# KiCad board Zynq_SoM.kicad_pcb (continued)
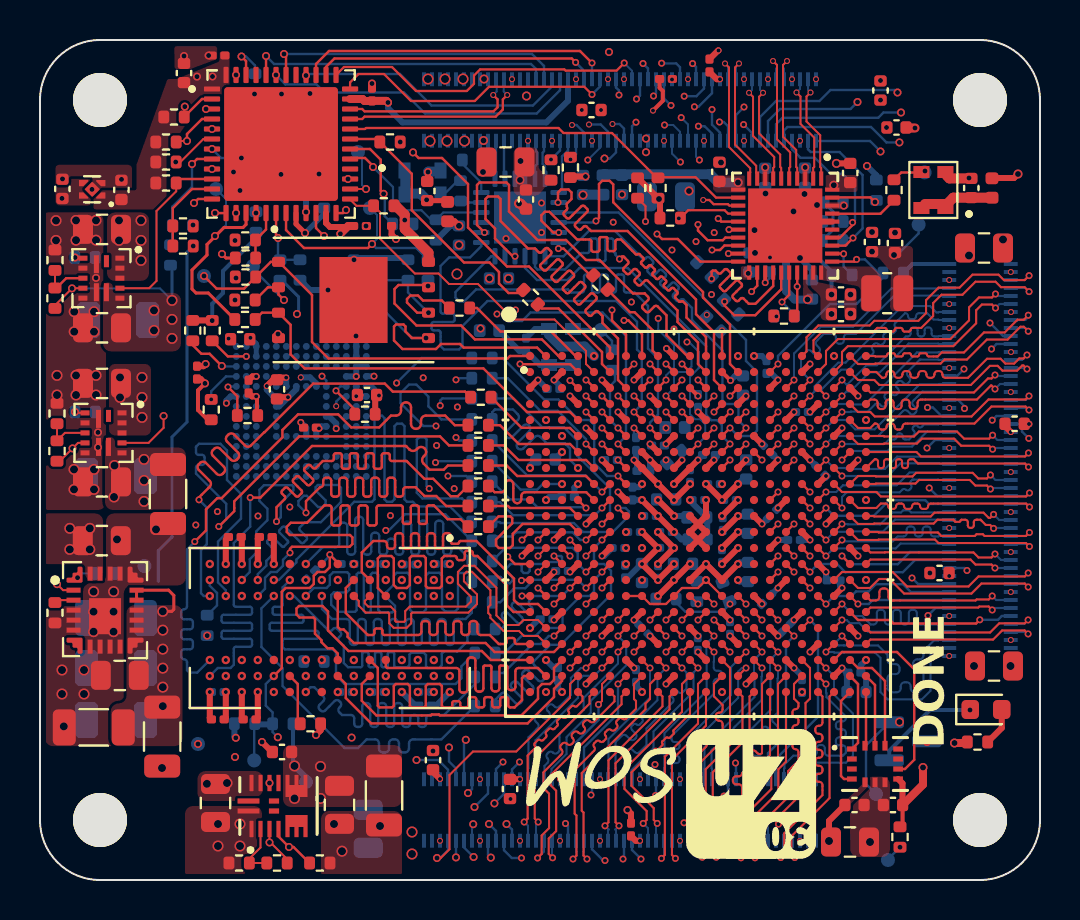
[diagram p0: board, top side]
## Footprints (pads in the part's own frame, mm; a bottom-side part is the same pattern mirrored in y, then rotated)
B0QFN_RDJ
  custom 0.8x0.8 smd: 1(-1.375,1.625) 7(-1.375,-1.625) 12(1.375,-1.625) 18(1.375,1.625)
  rect 0.7x0.25 smd: 2(-1.575,1) 3(-1.575,0.5) 4(-1.575,0) 5(-1.575,-0.5) 6(-1.575,-1) 13(1.575,-1) 14(1.575,-0.5) 15(1.575,0) 16(1.575,0.5) 17(1.575,1)
  rect 0.25x0.7 smd: 8(-0.75,-1.825) 9(-0.25,-1.825) 10(0.25,-1.825) 11(0.75,-1.825) 19(0.75,1.825) 20(0.25,1.825) 21(-0.25,1.825) 22(-0.75,1.825)
  rect 1.6x1.8 smd: 23(0,-0.3)
BGA96C80P9X16_1400X800X120
  round 0.42 smd: A1(-3.2,6) A2(-2.4,6) A3(-1.6,6) A7(1.6,6) A8(2.4,6) A9(3.2,6) B1(-3.2,5.2) B2(-2.4,5.2) B3(-1.6,5.2) B7(1.6,5.2) B8(2.4,5.2) B9(3.2,5.2) C1(-3.2,4.4) C2(-2.4,4.4) C3(-1.6,4.4) C7(1.6,4.4) C8(2.4,4.4) C9(3.2,4.4) D1(-3.2,3.6) D2(-2.4,3.6) D3(-1.6,3.6) D7(1.6,3.6) D8(2.4,3.6) D9(3.2,3.6) E1(-3.2,2.8) E2(-2.4,2.8) E3(-1.6,2.8) E7(1.6,2.8) E8(2.4,2.8) E9(3.2,2.8) F1(-3.2,2) F2(-2.4,2) F3(-1.6,2) F7(1.6,2) F8(2.4,2) F9(3.2,2) G1(-3.2,1.2) G2(-2.4,1.2) G3(-1.6,1.2) G7(1.6,1.2) G8(2.4,1.2) G9(3.2,1.2) H1(-3.2,0.4) H2(-2.4,0.4) H3(-1.6,0.4) H7(1.6,0.4) H8(2.4,0.4) H9(3.2,0.4) J1(-3.2,-0.4) J2(-2.4,-0.4) J3(-1.6,-0.4) J7(1.6,-0.4) J8(2.4,-0.4) J9(3.2,-0.4) K1(-3.2,-1.2) K2(-2.4,-1.2) K3(-1.6,-1.2) K7(1.6,-1.2) K8(2.4,-1.2) K9(3.2,-1.2) L1(-3.2,-2) L2(-2.4,-2) L3(-1.6,-2) L7(1.6,-2) L8(2.4,-2) L9(3.2,-2) M1(-3.2,-2.8) M2(-2.4,-2.8) M3(-1.6,-2.8) M7(1.6,-2.8) M8(2.4,-2.8) M9(3.2,-2.8) N1(-3.2,-3.6) N2(-2.4,-3.6) N3(-1.6,-3.6) N7(1.6,-3.6) N8(2.4,-3.6) N9(3.2,-3.6) P1(-3.2,-4.4) P2(-2.4,-4.4) P3(-1.6,-4.4) P7(1.6,-4.4) P8(2.4,-4.4) P9(3.2,-4.4) R1(-3.2,-5.2) R2(-2.4,-5.2) R3(-1.6,-5.2) R7(1.6,-5.2) R8(2.4,-5.2) R9(3.2,-5.2) T1(-3.2,-6) T2(-2.4,-6) T3(-1.6,-6) T7(1.6,-6) T8(2.4,-6) T9(3.2,-6)
BGA153N50P14X14_1150X1300X100
  round 0.35 smd: A1(-3.25,3.25) A2(-2.75,3.25) A3(-2.25,3.25) A4(-1.75,3.25) A5(-1.25,3.25) A6(-0.75,3.25) A7(-0.25,3.25) A8(0.25,3.25) A9(0.75,3.25) A10(1.25,3.25) A11(1.75,3.25) A12(2.25,3.25) A13(2.75,3.25) A14(3.25,3.25) B1(-3.25,2.75) B2(-2.75,2.75) B3(-2.25,2.75) B4(-1.75,2.75) B5(-1.25,2.75) B6(-0.75,2.75) B7(-0.25,2.75) B8(0.25,2.75) B9(0.75,2.75) B10(1.25,2.75) B11(1.75,2.75) B12(2.25,2.75) B13(2.75,2.75) B14(3.25,2.75) C1(-3.25,2.25) C2(-2.75,2.25) C3(-2.25,2.25) C4(-1.75,2.25) C5(-1.25,2.25) C6(-0.75,2.25) C7(-0.25,2.25) C8(0.25,2.25) C9(0.75,2.25) C10(1.25,2.25) C11(1.75,2.25) C12(2.25,2.25) C13(2.75,2.25) C14(3.25,2.25) D1(-3.25,1.75) D2(-2.75,1.75) D3(-2.25,1.75) D4(-1.75,1.75) D12(2.25,1.75) D13(2.75,1.75) D14(3.25,1.75) E1(-3.25,1.25) E2(-2.75,1.25) E3(-2.25,1.25) E5(-1.25,1.25) E6(-0.75,1.25) E7(-0.25,1.25) E8(0.25,1.25) E9(0.75,1.25) E10(1.25,1.25) E12(2.25,1.25) E13(2.75,1.25) E14(3.25,1.25) F1(-3.25,0.75) F2(-2.75,0.75) F3(-2.25,0.75) F5(-1.25,0.75) F10(1.25,0.75) F12(2.25,0.75) F13(2.75,0.75) F14(3.25,0.75) G1(-3.25,0.25) G2(-2.75,0.25) G3(-2.25,0.25) G5(-1.25,0.25) G10(1.25,0.25) G12(2.25,0.25) G13(2.75,0.25) G14(3.25,0.25) H1(-3.25,-0.25) H2(-2.75,-0.25) H3(-2.25,-0.25) H5(-1.25,-0.25) H10(1.25,-0.25) H12(2.25,-0.25) H13(2.75,-0.25) H14(3.25,-0.25) J1(-3.25,-0.75) J2(-2.75,-0.75) J3(-2.25,-0.75) J5(-1.25,-0.75) J10(1.25,-0.75) J12(2.25,-0.75) J13(2.75,-0.75) J14(3.25,-0.75) K1(-3.25,-1.25) K2(-2.75,-1.25) K3(-2.25,-1.25) K5(-1.25,-1.25) K6(-0.75,-1.25) K7(-0.25,-1.25) K8(0.25,-1.25) K9(0.75,-1.25) K10(1.25,-1.25) K12(2.25,-1.25) K13(2.75,-1.25) K14(3.25,-1.25) L1(-3.25,-1.75) L2(-2.75,-1.75) L3(-2.25,-1.75) L12(2.25,-1.75) L13(2.75,-1.75) L14(3.25,-1.75) M1(-3.25,-2.25) M2(-2.75,-2.25) M3(-2.25,-2.25) M4(-1.75,-2.25) M5(-1.25,-2.25) M6(-0.75,-2.25) M7(-0.25,-2.25) M8(0.25,-2.25) M9(0.75,-2.25) M10(1.25,-2.25) M11(1.75,-2.25) M12(2.25,-2.25) M13(2.75,-2.25) M14(3.25,-2.25) N1(-3.25,-2.75) N2(-2.75,-2.75) N3(-2.25,-2.75) N4(-1.75,-2.75) N5(-1.25,-2.75) N6(-0.75,-2.75) N7(-0.25,-2.75) N8(0.25,-2.75) N9(0.75,-2.75) N10(1.25,-2.75) N11(1.75,-2.75) N12(2.25,-2.75) N13(2.75,-2.75) N14(3.25,-2.75) P1(-3.25,-3.25) P2(-2.75,-3.25) P3(-2.25,-3.25) P4(-1.75,-3.25) P5(-1.25,-3.25) P6(-0.75,-3.25) P7(-0.25,-3.25) P8(0.25,-3.25) P9(0.75,-3.25) P10(1.25,-3.25) P11(1.75,-3.25) P12(2.25,-3.25) P13(2.75,-3.25) P14(3.25,-3.25)
BMI323_BOS
  rect 0.483x0.254 smd: 1(-1.156,0.75) 2(-1.156,0.25) 3(-1.156,-0.25) 4(-1.156,-0.75) 8(1.156,-0.75) 9(1.156,-0.25) 10(1.156,0.25) 11(1.156,0.75)
  rect 0.254x0.483 smd: 5(-0.5,-0.914) 6(0,-0.914) 7(0.5,-0.914) 12(0.5,0.914) 13(0,0.914) 14(-0.5,0.914)
C_0201_0603Metric
  rrect 0.318x0.36 smd: (-0.345,0) (0.345,0)
  rrect 0.46x0.4 smd: 1(-0.32,0) 2(0.32,0)
C_0402_1005Metric
  rrect 0.56x0.62 smd: 1(-0.48,0) 2(0.48,0)
C_0805_2012Metric
  rrect 1x1.45 smd: 1(-0.95,0) 2(0.95,0)
C_1206_3216Metric
  rrect 1.15x1.8 smd: 1(-1.475,0) 2(1.475,0)
CLG484_XIL-L_new
  round 0.406 smd: A1(-8.4,8.4) A2(-7.6,8.4) A3(-6.8,8.4) A4(-6,8.4) A5(-5.2,8.4) A6(-4.4,8.4) A7(-3.6,8.4) A8(-2.8,8.4) A9(-2,8.4) A10(-1.2,8.4) A11(-0.4,8.4) A12(0.4,8.4) A13(1.2,8.4) A14(2,8.4) A15(2.8,8.4) A16(3.6,8.4) A17(4.4,8.4) A18(5.2,8.4) A19(6,8.4) A20(6.8,8.4) A21(7.6,8.4) A22(8.4,8.4) AA1(-8.4,-7.6) AA2(-7.6,-7.6) AA3(-6.8,-7.6) AA4(-6,-7.6) AA5(-5.2,-7.6) AA6(-4.4,-7.6) AA7(-3.6,-7.6) AA8(-2.8,-7.6) AA9(-2,-7.6) AA10(-1.2,-7.6) AA11(-0.4,-7.6) AA12(0.4,-7.6) AA13(1.2,-7.6) AA14(2,-7.6) AA15(2.8,-7.6) AA16(3.6,-7.6) AA17(4.4,-7.6) AA18(5.2,-7.6) AA19(6,-7.6) AA20(6.8,-7.6) AA21(7.6,-7.6) AA22(8.4,-7.6) AB1(-8.4,-8.4) AB2(-7.6,-8.4) AB3(-6.8,-8.4) AB4(-6,-8.4) AB5(-5.2,-8.4) AB6(-4.4,-8.4) AB7(-3.6,-8.4) AB8(-2.8,-8.4) AB9(-2,-8.4) AB10(-1.2,-8.4) AB11(-0.4,-8.4) AB12(0.4,-8.4) AB13(1.2,-8.4) AB14(2,-8.4) AB15(2.8,-8.4) AB16(3.6,-8.4) AB17(4.4,-8.4) AB18(5.2,-8.4) AB19(6,-8.4) AB20(6.8,-8.4) AB21(7.6,-8.4) AB22(8.4,-8.4) B1(-8.4,7.6) B2(-7.6,7.6) B3(-6.8,7.6) B4(-6,7.6) B5(-5.2,7.6) B6(-4.4,7.6) B7(-3.6,7.6) B8(-2.8,7.6) B9(-2,7.6) B10(-1.2,7.6) B11(-0.4,7.6) B12(0.4,7.6) B13(1.2,7.6) B14(2,7.6) B15(2.8,7.6) B16(3.6,7.6) B17(4.4,7.6) B18(5.2,7.6) B19(6,7.6) B20(6.8,7.6) B21(7.6,7.6) B22(8.4,7.6) C1(-8.4,6.8) C2(-7.6,6.8) C3(-6.8,6.8) C4(-6,6.8) C5(-5.2,6.8) C6(-4.4,6.8) C7(-3.6,6.8) C8(-2.8,6.8) C9(-2,6.8) C10(-1.2,6.8) C11(-0.4,6.8) C12(0.4,6.8) C13(1.2,6.8) C14(2,6.8) C15(2.8,6.8) C16(3.6,6.8) C17(4.4,6.8) C18(5.2,6.8) C19(6,6.8) C20(6.8,6.8) C21(7.6,6.8) C22(8.4,6.8) D1(-8.4,6) D2(-7.6,6) D3(-6.8,6) D4(-6,6) D5(-5.2,6) D6(-4.4,6) D7(-3.6,6) D8(-2.8,6) D9(-2,6) D10(-1.2,6) D11(-0.4,6) D12(0.4,6) D13(1.2,6) D14(2,6) D15(2.8,6) D16(3.6,6) D17(4.4,6) D18(5.2,6) D19(6,6) D20(6.8,6) D21(7.6,6) D22(8.4,6) E1(-8.4,5.2) E2(-7.6,5.2) E3(-6.8,5.2) E4(-6,5.2) E5(-5.2,5.2) E6(-4.4,5.2) E7(-3.6,5.2) E8(-2.8,5.2) E9(-2,5.2) E10(-1.2,5.2) E11(-0.4,5.2) E12(0.4,5.2) E13(1.2,5.2) E14(2,5.2) E15(2.8,5.2) E16(3.6,5.2) E17(4.4,5.2) E18(5.2,5.2) E19(6,5.2) E20(6.8,5.2) E21(7.6,5.2) E22(8.4,5.2) F1(-8.4,4.4) F2(-7.6,4.4) F3(-6.8,4.4) F4(-6,4.4) F5(-5.2,4.4) F6(-4.4,4.4) F7(-3.6,4.4) F8(-2.8,4.4) F9(-2,4.4) F10(-1.2,4.4) F11(-0.4,4.4) F12(0.4,4.4) F13(1.2,4.4) F14(2,4.4) F15(2.8,4.4) F16(3.6,4.4) F17(4.4,4.4) F18(5.2,4.4) F19(6,4.4) F20(6.8,4.4) F21(7.6,4.4) F22(8.4,4.4) G1(-8.4,3.6) G2(-7.6,3.6) G3(-6.8,3.6) G4(-6,3.6) G5(-5.2,3.6) G6(-4.4,3.6) G7(-3.6,3.6) G8(-2.8,3.6) G9(-2,3.6) G10(-1.2,3.6) G11(-0.4,3.6) G12(0.4,3.6) G13(1.2,3.6) G14(2,3.6) G15(2.8,3.6) G16(3.6,3.6) G17(4.4,3.6) G18(5.2,3.6) G19(6,3.6) G20(6.8,3.6) G21(7.6,3.6) G22(8.4,3.6) H1(-8.4,2.8) H2(-7.6,2.8) H3(-6.8,2.8) H4(-6,2.8) H5(-5.2,2.8) H6(-4.4,2.8) H7(-3.6,2.8) H8(-2.8,2.8) H9(-2,2.8) H10(-1.2,2.8) H11(-0.4,2.8) H12(0.4,2.8) H13(1.2,2.8) H14(2,2.8) H15(2.8,2.8) H16(3.6,2.8) H17(4.4,2.8) H18(5.2,2.8) H19(6,2.8) H20(6.8,2.8) H21(7.6,2.8) H22(8.4,2.8) J1(-8.4,2) J2(-7.6,2) J3(-6.8,2) J4(-6,2) J5(-5.2,2) J6(-4.4,2) J7(-3.6,2) J8(-2.8,2) J9(-2,2) J10(-1.2,2) J11(-0.4,2) J12(0.4,2) J13(1.2,2) J14(2,2) J15(2.8,2) J16(3.6,2) J17(4.4,2) J18(5.2,2) J19(6,2) J20(6.8,2) J21(7.6,2) J22(8.4,2) K1(-8.4,1.2) K2(-7.6,1.2) K3(-6.8,1.2) K4(-6,1.2) K5(-5.2,1.2) K6(-4.4,1.2) K7(-3.6,1.2) K8(-2.8,1.2) K9(-2,1.2) K10(-1.2,1.2) K11(-0.4,1.2) K12(0.4,1.2) K13(1.2,1.2) K14(2,1.2) K15(2.8,1.2) K16(3.6,1.2) K17(4.4,1.2) K18(5.2,1.2) K19(6,1.2) K20(6.8,1.2) K21(7.6,1.2) K22(8.4,1.2) L1(-8.4,0.4) L2(-7.6,0.4) L3(-6.8,0.4) L4(-6,0.4) L5(-5.2,0.4) L6(-4.4,0.4) L7(-3.6,0.4) L8(-2.8,0.4) L9(-2,0.4) L10(-1.2,0.4) L11(-0.4,0.4) L12(0.4,0.4) L13(1.2,0.4) L14(2,0.4) L15(2.8,0.4) L16(3.6,0.4) L17(4.4,0.4) L18(5.2,0.4) L19(6,0.4) L20(6.8,0.4) L21(7.6,0.4) L22(8.4,0.4) M1(-8.4,-0.4) M2(-7.6,-0.4) M3(-6.8,-0.4) M4(-6,-0.4) M5(-5.2,-0.4) M6(-4.4,-0.4) M7(-3.6,-0.4) M8(-2.8,-0.4) M9(-2,-0.4) M10(-1.2,-0.4) M11(-0.4,-0.4) M12(0.4,-0.4) M13(1.2,-0.4) M14(2,-0.4) M15(2.8,-0.4) M16(3.6,-0.4) M17(4.4,-0.4) M18(5.2,-0.4) M19(6,-0.4) M20(6.8,-0.4) M21(7.6,-0.4) M22(8.4,-0.4) N1(-8.4,-1.2) N2(-7.6,-1.2) N3(-6.8,-1.2) N4(-6,-1.2) N5(-5.2,-1.2) N6(-4.4,-1.2) N7(-3.6,-1.2) N8(-2.8,-1.2) N9(-2,-1.2) N10(-1.2,-1.2) N11(-0.4,-1.2) N12(0.4,-1.2) N13(1.2,-1.2) N14(2,-1.2) N15(2.8,-1.2) N16(3.6,-1.2) N17(4.4,-1.2) N18(5.2,-1.2) N19(6,-1.2) N20(6.8,-1.2) N21(7.6,-1.2) N22(8.4,-1.2) P1(-8.4,-2) P2(-7.6,-2) P3(-6.8,-2) P4(-6,-2) P5(-5.2,-2) P6(-4.4,-2) P7(-3.6,-2) P8(-2.8,-2) P9(-2,-2) P10(-1.2,-2) P11(-0.4,-2) P12(0.4,-2) P13(1.2,-2) P14(2,-2) P15(2.8,-2) P16(3.6,-2) P17(4.4,-2) P18(5.2,-2) P19(6,-2) P20(6.8,-2) P21(7.6,-2) P22(8.4,-2) R1(-8.4,-2.8) R2(-7.6,-2.8) R3(-6.8,-2.8) R4(-6,-2.8) R5(-5.2,-2.8) R6(-4.4,-2.8) R7(-3.6,-2.8) R8(-2.8,-2.8) R9(-2,-2.8) R10(-1.2,-2.8) R11(-0.4,-2.8) R12(0.4,-2.8) R13(1.2,-2.8) R14(2,-2.8) R15(2.8,-2.8) R16(3.6,-2.8) R17(4.4,-2.8) R18(5.2,-2.8) R19(6,-2.8) R20(6.8,-2.8) R21(7.6,-2.8) R22(8.4,-2.8) T1(-8.4,-3.6) T2(-7.6,-3.6) T3(-6.8,-3.6) T4(-6,-3.6) T5(-5.2,-3.6) T6(-4.4,-3.6) T7(-3.6,-3.6) T8(-2.8,-3.6) T9(-2,-3.6) T10(-1.2,-3.6) T11(-0.4,-3.6) T12(0.4,-3.6) T13(1.2,-3.6) T14(2,-3.6) T15(2.8,-3.6) T16(3.6,-3.6) T17(4.4,-3.6) T18(5.2,-3.6) T19(6,-3.6) T20(6.8,-3.6) T21(7.6,-3.6) T22(8.4,-3.6) U1(-8.4,-4.4) U2(-7.6,-4.4) U3(-6.8,-4.4) U4(-6,-4.4) U5(-5.2,-4.4) U6(-4.4,-4.4) U7(-3.6,-4.4) U8(-2.8,-4.4) U9(-2,-4.4) U10(-1.2,-4.4) U11(-0.4,-4.4) U12(0.4,-4.4) U13(1.2,-4.4) U14(2,-4.4) U15(2.8,-4.4) U16(3.6,-4.4) U17(4.4,-4.4) U18(5.2,-4.4) U19(6,-4.4) U20(6.8,-4.4) U21(7.6,-4.4) U22(8.4,-4.4) V1(-8.4,-5.2) V2(-7.6,-5.2) V3(-6.8,-5.2) V4(-6,-5.2) V5(-5.2,-5.2) V6(-4.4,-5.2) V7(-3.6,-5.2) V8(-2.8,-5.2) V9(-2,-5.2) V10(-1.2,-5.2) V11(-0.4,-5.2) V12(0.4,-5.2) V13(1.2,-5.2) V14(2,-5.2) V15(2.8,-5.2) V16(3.6,-5.2) V17(4.4,-5.2) V18(5.2,-5.2) V19(6,-5.2) V20(6.8,-5.2) V21(7.6,-5.2) V22(8.4,-5.2) W1(-8.4,-6) W2(-7.6,-6) W3(-6.8,-6) W4(-6,-6) W5(-5.2,-6) W6(-4.4,-6) W7(-3.6,-6) W8(-2.8,-6) W9(-2,-6) W10(-1.2,-6) W11(-0.4,-6) W12(0.4,-6) W13(1.2,-6) W14(2,-6) W15(2.8,-6) W16(3.6,-6) W17(4.4,-6) W18(5.2,-6) W19(6,-6) W20(6.8,-6) W21(7.6,-6) W22(8.4,-6) Y1(-8.4,-6.8) Y2(-7.6,-6.8) Y3(-6.8,-6.8) Y4(-6,-6.8) Y5(-5.2,-6.8) Y6(-4.4,-6.8) Y7(-3.6,-6.8) Y8(-2.8,-6.8) Y9(-2,-6.8) Y10(-1.2,-6.8) Y11(-0.4,-6.8) Y12(0.4,-6.8) Y13(1.2,-6.8) Y14(2,-6.8) Y15(2.8,-6.8) Y16(3.6,-6.8) Y17(4.4,-6.8) Y18(5.2,-6.8) Y19(6,-6.8) Y20(6.8,-6.8) Y21(7.6,-6.8) Y22(8.4,-6.8)
HRS_DF40C-100DS-0.4V_51_
  rect 0.2x0.7 smd: 1(9.8,1.54) 2(9.8,-1.54) 3(9.4,1.54) 4(9.4,-1.54) 5(9,1.54) 6(9,-1.54) 7(8.6,1.54) 8(8.6,-1.54) 9(8.2,1.54) 10(8.2,-1.54) 11(7.8,1.54) 12(7.8,-1.54) 13(7.4,1.54) 14(7.4,-1.54) 15(7,1.54) 16(7,-1.54) 17(6.6,1.54) 18(6.6,-1.54) 19(6.2,1.54) 20(6.2,-1.54) 21(5.8,1.54) 22(5.8,-1.54) 23(5.4,1.54) 24(5.4,-1.54) 25(5,1.54) 26(5,-1.54) 27(4.6,1.54) 28(4.6,-1.54) 29(4.2,1.54) 30(4.2,-1.54) 31(3.8,1.54) 32(3.8,-1.54) 33(3.4,1.54) 34(3.4,-1.54) 35(3,1.54) 36(3,-1.54) 37(2.6,1.54) 38(2.6,-1.54) 39(2.2,1.54) 40(2.2,-1.54) 41(1.8,1.54) 42(1.8,-1.54) 43(1.4,1.54) 44(1.4,-1.54) 45(1,1.54) 46(1,-1.54) 47(0.6,1.54) 48(0.6,-1.54) 49(0.2,1.54) 50(0.2,-1.54) 51(-0.2,1.54) 52(-0.2,-1.54) 53(-0.6,1.54) 54(-0.6,-1.54) 55(-1,1.54) 56(-1,-1.54) 57(-1.4,1.54) 58(-1.4,-1.54) 59(-1.8,1.54) 60(-1.8,-1.54) 61(-2.2,1.54) 62(-2.2,-1.54) 63(-2.6,1.54) 64(-2.6,-1.54) 65(-3,1.54) 66(-3,-1.54) 67(-3.4,1.54) 68(-3.4,-1.54) 69(-3.8,1.54) 70(-3.8,-1.54) 71(-4.2,1.54) 72(-4.2,-1.54) 73(-4.6,1.54) 74(-4.6,-1.54) 75(-5,1.54) 76(-5,-1.54) 77(-5.4,1.54) 78(-5.4,-1.54) 79(-5.8,1.54) 80(-5.8,-1.54) 81(-6.2,1.54) 82(-6.2,-1.54) 83(-6.6,1.54) 84(-6.6,-1.54) 85(-7,1.54) 86(-7,-1.54) 87(-7.4,1.54) 88(-7.4,-1.54) 89(-7.8,1.54) 90(-7.8,-1.54) 91(-8.2,1.54) 92(-8.2,-1.54) 93(-8.6,1.54) 94(-8.6,-1.54) 95(-9,1.54) 96(-9,-1.54) 97(-9.4,1.54) 98(-9.4,-1.54) 99(-9.8,1.54) 100(-9.8,-1.54)
L_0402_1005Metric
  rrect 0.59x0.64 smd: 1(-0.485,0) 2(0.485,0)
L_0806_2.0x1.6mm
  rrect 1x1.8 smd: 1(-0.8,0) 2(0.8,0)
LED_0603_1608Metric
  rrect 0.875x0.95 smd: 1(-0.787,0) 2(0.787,0)
MountingHole_2.7mm_M2.5_ISO14580_MOD
  round 2.7 hole 2.7 unplated: (0,0)
MPM3834
  rect 0.6x0.25 smd: 1(-0.85,0.25)
  rect 0.9x0.25 smd: 2(-0.7,-0.25) 8(0.7,-0.25) 9(0.7,0.25)
  rect 0.25x0.45 smd: 3(-1,-0.925) 4(-0.5,-0.925) 5(0,-0.925) 6(0.5,-0.925) 7(1,-0.925) 10(1,0.925) 11(0.5,0.925) 12(0,0.925) 13(-0.5,0.925) 14(-1,0.925)
Oscillator_SMD_Kyocera_4PIN_2.0x1.6mm
  rect 0.6x0.8 smd: 1(-0.9,-0.6) 2(0.9,-0.6) 3(0.9,0.6) 4(-0.9,0.6)
QFN-24-1EP_4x4mm_P0.5mm_EP2.6x2.6mm
  rrect 1.05x1.05 smd: (-0.65,-0.65) (-0.65,0.65) (0.65,-0.65) (0.65,0.65)
  rrect 0.825x0.25 smd: 1(-1.938,1.25) 2(-1.938,0.75) 3(-1.938,0.25) 4(-1.938,-0.25) 5(-1.938,-0.75) 6(-1.938,-1.25) 13(1.938,-1.25) 14(1.938,-0.75) 15(1.938,-0.25) 16(1.938,0.25) 17(1.938,0.75) 18(1.938,1.25)
  rrect 0.25x0.825 smd: 7(-1.25,-1.938) 8(-0.75,-1.938) 9(-0.25,-1.938) 10(0.25,-1.938) 11(0.75,-1.938) 12(1.25,-1.938) 19(1.25,1.938) 20(0.75,1.938) 21(0.25,1.938) 22(-0.25,1.938) 23(-0.75,1.938) 24(-1.25,1.938)
  rect 2.6x2.6 smd: 25(0,0)
QFN_2p5x3p5x1p6_MNP
  rect 0.813x0.203 smd: 1(-1.15,1.35) 2(-1.15,0.9) 3(-1.15,0.45) 4(-1.15,0) 11(1.15,0) 12(1.15,0.45) 13(1.15,0.9) 14(1.15,1.35)
  custom 1.105x1.103 smd: 5(-0.75,-0.9) 10(0.75,-0.9)
  rect 0.254x1.092 smd: 15(0.25,1.5) 16(-0.25,1.5)
  rect 0.254x0.508 smd: 17(-0.25,0.225) 18(0.25,0.225)
R_0201_0603Metric
  rrect 0.318x0.36 smd: (-0.345,0) (0.345,0)
  rrect 0.46x0.4 smd: 1(-0.32,0) 2(0.32,0)
R_0402_1005Metric
  rrect 0.54x0.64 smd: 1(-0.51,0) 2(0.51,0)
RTL8211F-CG_RTK-L
  rect 0.711x0.203 smd: 1(-2.349,1.8) 2(-2.349,1.4) 3(-2.349,1) 4(-2.349,0.6) 5(-2.349,0.2) 6(-2.349,-0.2) 7(-2.349,-0.6) 8(-2.349,-1) 9(-2.349,-1.4) 10(-2.349,-1.8) 21(2.349,-1.8) 22(2.349,-1.4) 23(2.349,-1) 24(2.349,-0.6) 25(2.349,-0.2) 26(2.349,0.2) 27(2.349,0.6) 28(2.349,1) 29(2.349,1.4) 30(2.349,1.8)
  rect 0.203x0.711 smd: 11(-1.8,-2.349) 12(-1.4,-2.349) 13(-1,-2.349) 14(-0.6,-2.349) 15(-0.2,-2.349) 16(0.2,-2.349) 17(0.6,-2.349) 18(1,-2.349) 19(1.4,-2.349) 20(1.8,-2.349) 31(1.8,2.349) 32(1.4,2.349) 33(1,2.349) 34(0.6,2.349) 35(0.2,2.349) 36(-0.2,2.349) 37(-0.6,2.349) 38(-1,2.349) 39(-1.4,2.349) 40(-1.8,2.349)
  rect 3.708x3.708 smd: 41(0,0)
SOT-23
  rrect 1.475x0.6 smd: 1(-0.938,0.95) 2(-0.938,-0.95) 3(0.938,0)
STM32G431CBU6
  rrect 0.808x0.255 smd: 1(-3.452,2.75) 2(-3.452,2.25) 3(-3.452,1.75) 4(-3.452,1.25) 5(-3.452,0.75) 6(-3.452,0.25) 7(-3.452,-0.25) 8(-3.452,-0.75) 9(-3.452,-1.25) 10(-3.452,-1.75) 11(-3.452,-2.25) 12(-3.452,-2.75) 25(3.452,-2.75) 26(3.452,-2.25) 27(3.452,-1.75) 28(3.452,-1.25) 29(3.452,-0.75) 30(3.452,-0.25) 31(3.452,0.25) 32(3.452,0.75) 33(3.452,1.25) 34(3.452,1.75) 35(3.452,2.25) 36(3.452,2.75)
  rrect 0.255x0.808 smd: 13(-2.75,-3.452) 14(-2.25,-3.452) 15(-1.75,-3.452) 16(-1.25,-3.452) 17(-0.75,-3.452) 18(-0.25,-3.452) 19(0.25,-3.452) 20(0.75,-3.452) 21(1.25,-3.452) 22(1.75,-3.452) 23(2.25,-3.452) 24(2.75,-3.452) 37(2.75,3.452) 38(2.25,3.452) 39(1.75,3.452) 40(1.25,3.452) 41(0.75,3.452) 42(0.25,3.452) 43(-0.25,3.452) 44(-0.75,3.452) 45(-1.25,3.452) 46(-1.75,3.452) 47(-2.25,3.452) 48(-2.75,3.452)
  rrect 5.69x5.69 smd: 49(0,0)
TestPoint_Pad_D0.7mm
  round 0.7 smd: 1(0,0)
TLV707
  custom 0.46x0.31 smd: 1(-0.53,0.325) 2(-0.53,-0.325) 3(0.53,-0.325) 4(0.53,0.325)
  rrect 0.54x0.54 smd rot 45: 5(0,0)
WSON-8-1EP_8x6mm_P1.27mm_EP3.4x4.3mm
  rrect 1.37x1.73 smd: (-0.85,1.075) (-0.85,-1.075) (0.85,1.075) (0.85,-1.075)
  rrect 0.65x0.5 smd: 1(-3.75,1.905) 2(-3.75,0.635) 3(-3.75,-0.635) 4(-3.75,-1.905) 5(3.75,-1.905) 6(3.75,-0.635) 7(3.75,0.635) 8(3.75,1.905)
  rect 3.4x4.3 smd: 9(0,0)

## Nets
1V0_EN: R27.1 U8.1 U9.5
1V0_PG: R28.2 U8.2 U9.2
1V8_EN: R30.1 U4.3 U9.47
1V8_PG: R29.2 U4.11 U9.4
1V35_EN: R35.1 U9.9 U10.4
1V35_PG: R36.2 U9.6 U10.12
3V3_EN: R31.1 U6.3 U9.3
3V3_PG: R32.2 U6.11 U9.10
+0V675_REF: C113.2 C124.1 C125.1 C126.1 R88.2 R89.1 TP16.1 U1.H1 U1.M8 U2.H7 U2.P7
+1V0: C24.1 C45.1 C46.1 C47.1 C48.1 C51.1 C52.1 C53.1 C54.1 C55.1 C56.1 C57.1 C58.1 C60.1 C61.1 C63.1 C64.1 C66.1 R78.1 TP14.1 U2.G8 U2.H9 U2.H11 U2.J8 U2.J10 U2.J12 U2.J14 U2.K13 U2.L8 U2.L14 U2.M13 U2.N8 U2.N14 U2.P13 U2.R8 U2.R14 U8.12 U8.13 U8.14 U8.15 U8.16 U8.17
+1V8: C11.1 C20.1 C27.1 C33.1 C38.1 C42.1 C44.1 C49.1 C50.1 C59.1 C62.1 C67.1 C96.1 C97.1 C98.1 C107.1 C108.1 C112.1 C134.1 C138.1 J1.56 J1.58 J1.60 L2.2 L4.1 L6.2 L8.2 L9.2 R5.1 R7.1 R11.1 R12.1 R14.1 R26.1 R39.1 R40.1 R41.1 R42.1 R43.1 R80.1 R90.1 R92.1 R94.1 R97.1 U2.A10 U2.B13 U2.D9 U2.E12 U2.G9 U2.K9 U2.L10 U2.M9 U2.N10 U2.P9 U2.P11 U2.R10 U2.T9 U4.6 U4.9 U4.10 U5.17 U5.21 U7.C6 U7.M4 U7.N3 U7.N4 U7.P3 U7.P5
+1V35: C31.1 C93.1 C95.1 C99.1 C101.1 C102.1 C104.1 C105.1 C106.1 C109.1 C110.1 C111.1 C113.1 C114.1 C118.1 C119.1 C120.1 C121.1 C122.1 C123.1 R37.1 R47.1 R84.1 R88.1 TP15.1 U1.A1 U1.A8 U1.B2 U1.C1 U1.C9 U1.D2 U1.D9 U1.E9 U1.F1 U1.G7 U1.H2 U1.H9 U1.K2 U1.K8 U1.N1 U1.N9 U1.R1 U1.R9 U2.E2 U2.F5 U2.H1 U2.J4 U2.K7 U2.M3 U2.N6 U2.R2 U2.V1 U10.3 U10.10
+3V3: C1.1 C2.1 C12.1 C21.1 C29.1 C34.1 C39.1 C41.1 C68.1 C71.1 C73.1 C76.1 C141.1 J1.24 J1.25 J1.26 J1.27 L3.1 L7.2 R18.1 R19.1 R33.1 R44.1 R74.2 R82.1 R86.1 R87.1 R91.1 R98.1 R99.1 R100.1 U2.B3 U2.C6 U2.R12 U2.T7 U2.T8 U2.T10 U2.T13 U3.29 U5.3 U5.4 U6.6 U6.9 U6.10 U7.E6 U7.F5 U7.J10 U7.K9 U11.8 U14.8
+3V3_SC: C9.1 C35.1 C36.1 C37.1 C136.1 J1.37 L5.1 R3.1 R28.1 R29.1 R32.1 R36.1 U9.1 U9.23 U9.35 U9.48 U13.1
+VCCO_13: C127.1 C128.1 C129.1 C130.1 C131.1 C132.1 C133.1 J2.1 J2.2 J2.3 U2.AA10 U2.AB3 U2.T5 U2.U8 U2.V11 U2.W4 U2.Y7
+VCCO_33: C86.1 C87.1 C88.1 C89.1 C90.1 C91.1 C92.1 C100.1 J2.98 J2.99 J2.100 U2.AA20 U2.AB13 U2.U18 U2.V21 U2.W14 U2.Y17 U14.5
+VCCO_34: C75.1 C77.1 C79.1 C82.1 C83.1 C84.1 C85.1 J3.97 J3.99 U2.K17 U2.L20 U2.N16 U2.P19 U2.R22 U2.T15
+VCCO_35: C69.1 C70.1 C72.1 C74.1 C78.1 C80.1 C81.1 J3.1 J3.2 J3.4 R15.1 U2.A20 U2.C16 U2.D19 U2.E22 U2.F15 U2.G18 U2.H21
/Ethernet PHY/1V0_ETH: C3.1 C4.1 C5.1 C6.1 C7.1 C16.1 L1.2 TP13.1 U3.3 U3.8 U3.21 U3.38
/Ethernet PHY/1V8A_ETH: C10.1 C19.1 L2.1 U3.28
/Ethernet PHY/3V3A_ETH: C15.1 C17.1 C18.1 L3.2 U3.11 U3.40
/Zynq Power/VCCADC: C103.1 C135.1 L9.1 U2.K11
/Zynq Power/VCCPLL: C43.1 C65.1 L4.2 U2.H10
GND: C1.2 C2.2 C3.2 C4.2 C5.2 C6.2 C7.2 C8.2 C9.2 C10.2 C11.2 C12.2 C13.2 C15.2 C16.2 C17.2 C18.2 C19.2 C20.2 C21.2 C22.2 C23.2 C24.2 C25.2 C26.2 C27.2 C28.2 C29.2 C30.2 C31.2 C32.2 C33.2 C34.2 C35.2 C36.2 C37.2 C38.2 C39.2 C40.2 C41.2 C42.2 C43.2 C44.2 C45.2 C46.2 C47.2 C48.2 C49.2 C50.2 C51.2 C52.2 C53.2 C54.2 C55.2 C56.2 C57.2 C58.2 C59.2 C60.2 C61.2 C62.2 C63.2 C64.2 C65.2 C66.2 C67.2 C68.2 C69.2 C70.2 C71.2 C72.2 C73.2 C74.2 C75.2 C76.2 C77.2 C78.2 C79.2 C80.2 C81.2 C82.2 C83.2 C84.2 C85.2 C86.2 C87.2 C88.2 C89.2 C90.2 C91.2 C92.2 C93.2 C94.2 C95.2 C96.2 C97.2 C98.2 C99.2 C100.2 C101.2 C102.2 C103.2 C104.2 C105.2 C106.2 C107.2 C108.2 C109.2 C110.2 C111.2 C112.2 C114.2 C118.2 C119.2 C120.2 C121.2 C122.2 C123.2 C124.2 C125.2 C126.2 C127.2 C128.2 C129.2 C130.2 C131.2 C132.2 C133.2 C134.2 C135.2 C136.2 C137.2 C138.2 C139.2 C141.2 C142.2 J1.15 J1.16 J1.17 J1.18 J1.23 J1.28 J1.34 J1.39 J1.44 J1.51 J1.62 J1.63 J1.72 J1.75 J1.81 J1.82 J1.87 J1.93 J1.96 J1.99 J2.4 J2.5 J2.6 J2.15 J2.16 J2.25 J2.26 J2.35 J2.36 J2.45 J2.46 J2.55 J2.56 J2.65 J2.66 J2.75 J2.76 J2.85 J2.86 J2.95 J2.96 J2.97 J3.3 J3.6 J3.12 J3.13 J3.18 J3.23 J3.28 J3.33 J3.38 J3.43 J3.48 J3.53 J3.58 J3.63 J3.68 J3.73 J3.80 J3.83 J3.90 J3.95 J3.100 Q3.3 R4.2 R8.2 R9.2 R10.2 R13.2 R16.2 R17.2 R23.2 R24.1 R25.2 R27.2 R30.2 R31.2 R34.2 R35.2 R38.2 R45.2 R46.2 R48.2 R75.1 R76.2 R77.2 R79.2 R81.2 R83.2 R85.2 R89.2 R93.2 U1.A9 U1.B1 U1.B3 U1.B9 U1.D1 U1.D8 U1.E1 U1.E2 U1.E8 U1.F9 U1.G1 U1.G8 U1.G9 U1.J2 U1.J8 U1.M1 U1.M9 U1.P1 U1.P9 U1.T1 U1.T9 U2.A5 U2.A15 U2.AA5 U2.AA15 U2.AB8 U2.AB18 U2.B8 U2.B18 U2.C1 U2.C11 U2.C21 U2.D4 U2.D14 U2.E7 U2.E17 U2.F10 U2.F20 U2.G3 U2.H6 U2.H8 U2.H12 U2.H14 U2.H16 U2.J9 U2.J11 U2.J13 U2.J19 U2.K2 U2.K8 U2.K10 U2.K12 U2.K14 U2.K22 U2.L5 U2.L9 U2.L11 U2.L12 U2.L13 U2.L15 U2.M8 U2.M10 U2.M11 U2.M12 U2.M14 U2.M18 U2.N1 U2.N9 U2.N11 U2.N12 U2.N13 U2.N21 U2.P4 U2.P8 U2.P10 U2.P12 U2.P14 U2.R9 U2.R11 U2.R13 U2.R17 U2.T20 U2.U3 U2.U13 U2.V6 U2.V16 U2.W9 U2.W19 U2.Y2 U2.Y12 U2.Y22 U3.36 U3.41 U4.2 U4.4 U4.7 U4.8 U5.25 U6.2 U6.4 U6.7 U6.8 U7.A6 U7.C4 U7.E7 U7.G5 U7.H10 U7.J5 U7.K8 U7.N1 U7.N2 U7.N5 U7.N6 U7.P4 U7.P6 U8.4 U8.5 U8.6 U8.8 U8.9 U8.10 U8.11 U8.18 U8.19 U8.20 U8.23 U9.49 U10.1 U10.16 U11.4 U11.9 U13.2 U13.5 U14.6 U14.7 X1.2 X2.2 X3.2
VBUS_OUT_EN: J1.38 U5.7
VIN: C8.1 C25.1 C26.1 C28.1 C30.1 J1.1 J1.2 J1.3 J1.4 J1.5 J1.6 J1.7 J1.8 J1.9 J1.10 J1.11 J1.12 J1.13 J1.14 U4.12 U4.13 U4.14 U6.12 U6.13 U6.14 U8.21 U8.22 U10.13 U10.14 U13.3 U13.4
/eMMC/eMMC_VDDI: C40.1 U7.C1 U7.C2
/Ethernet PHY/25MHz_1V8: C22.1 L6.1 X2.1 X2.4
/Ethernet PHY/CLK_25MHz: R20.1 TP12.1 X2.3
/Ethernet PHY/ETH_CLK_25MHz: R20.2 U3.37
/Ethernet PHY/ETH_REG_OUT: L1.1 U3.30
/Power/VSET: R25.1 U8.3
/USB HS PHY/13MHz_1V8: C142.1 L8.1 X1.1 X1.4
/USB HS PHY/CLK_13MHz: R21.1 X1.3
/USB HS PHY/RBIAS: R24.2 U5.24
/USB HS PHY/USB_REFCLK: R21.2 U5.23
/USB HS PHY/USB_ULPI_CLKOUT_T: R22.1 U5.12
/Zynq B500-B501/33MHz_3V3: C23.1 L7.1 X3.1 X3.4
/Zynq B500-B501/PS_CLK_33MHz: R2.1 TP4.1 X3.3
/Zynq B500-B501/PS_CLK_33MHz_T: R2.2 U2.F7
/Zynq B500-B501/PS_MIO_VREF_501: C94.1 R92.2 R93.1 U2.F8
/Zynq B500-B501/STM32_SCL_T: R96.2 U2.B6
/Zynq Config/LED_A: D2.2 R91.2
/Zynq Config/VT_OUTPUT: D2.1 Q3.1
/Zynq_B502_DDR/DDR_A0: R53.1 U2.M4
/Zynq_B502_DDR/DDR_A0_T: R53.2 U1.N3
/Zynq_B502_DDR/DDR_A1: R54.1 U2.M5
/Zynq_B502_DDR/DDR_A1_T: R54.2 U1.P7
/Zynq_B502_DDR/DDR_A2: R55.1 U2.K4
/Zynq_B502_DDR/DDR_A2_T: R55.2 U1.P3
/Zynq_B502_DDR/DDR_A3: R56.1 U2.L4
/Zynq_B502_DDR/DDR_A3_T: R56.2 U1.N2
/Zynq_B502_DDR/DDR_A4: R57.1 U2.K6
/Zynq_B502_DDR/DDR_A4_T: R57.2 U1.P8
/Zynq_B502_DDR/DDR_A5: R58.1 U2.K5
/Zynq_B502_DDR/DDR_A5_T: R58.2 U1.P2
/Zynq_B502_DDR/DDR_A6: R59.1 U2.J7
/Zynq_B502_DDR/DDR_A6_T: R59.2 U1.R8
/Zynq_B502_DDR/DDR_A7: R60.1 U2.J6
/Zynq_B502_DDR/DDR_A7_T: R60.2 U1.R2
/Zynq_B502_DDR/DDR_A8: R61.1 U2.J5
/Zynq_B502_DDR/DDR_A8_T: R61.2 U1.T8
/Zynq_B502_DDR/DDR_A9: R62.1 U2.H5
/Zynq_B502_DDR/DDR_A9_T: R62.2 U1.R3
/Zynq_B502_DDR/DDR_A10: R63.1 U2.J3
/Zynq_B502_DDR/DDR_A10_T: R63.2 U1.L7
/Zynq_B502_DDR/DDR_A11: R64.1 U2.G5
/Zynq_B502_DDR/DDR_A11_T: R64.2 U1.R7
/Zynq_B502_DDR/DDR_A12: R65.1 U2.H4
/Zynq_B502_DDR/DDR_A12_T: R65.2 U1.N7
/Zynq_B502_DDR/DDR_A13: R66.1 U2.F4
/Zynq_B502_DDR/DDR_A13_T: R66.2 U1.T3
/Zynq_B502_DDR/DDR_A14: R67.1 U2.G4
/Zynq_B502_DDR/DDR_A14_T: R67.2 U1.T7
/Zynq_B502_DDR/DDR_BA0: R68.1 U2.L7
/Zynq_B502_DDR/DDR_BA0_T: R68.2 U1.M2
/Zynq_B502_DDR/DDR_BA1: R69.1 U2.L6
/Zynq_B502_DDR/DDR_BA1_T: R69.2 U1.N8
/Zynq_B502_DDR/DDR_BA2: R70.1 U2.M6
/Zynq_B502_DDR/DDR_BA2_T: R70.2 U1.M3
/Zynq_B502_DDR/DDR_CK_E: R73.1 U2.V3
/Zynq_B502_DDR/DDR_CK_E_T: R73.2 U1.K9
/Zynq_B502_DDR/DDR_CK_N: R50.2 U1.K7 U2.N5
/Zynq_B502_DDR/DDR_CK_P: R50.1 U1.J7 U2.N4
/Zynq_B502_DDR/DDR_DM0: U1.E7 U2.AA2
/Zynq_B502_DDR/DDR_DM1: U1.D3 U2.P1
/Zynq_B502_DDR/DDR_DQ0: U1.E3 U2.U1
/Zynq_B502_DDR/DDR_DQ1: U1.F7 U2.AA1
/Zynq_B502_DDR/DDR_DQ2: U1.F2 U2.U2
/Zynq_B502_DDR/DDR_DQ3: U1.F8 U2.Y3
/Zynq_B502_DDR/DDR_DQ4: U1.H3 U2.W3
/Zynq_B502_DDR/DDR_DQ5: U1.H8 U2.AA3
/Zynq_B502_DDR/DDR_DQ6: U1.G2 U2.W1
/Zynq_B502_DDR/DDR_DQ7: U1.H7 U2.Y1
/Zynq_B502_DDR/DDR_DQ8: U1.D7 U2.R3
/Zynq_B502_DDR/DDR_DQ9: U1.C3 U2.N3
/Zynq_B502_DDR/DDR_DQ10: U1.C8 U2.T2
/Zynq_B502_DDR/DDR_DQ11: U1.C2 U2.M2
/Zynq_B502_DDR/DDR_DQ12: U1.A7 U2.R1
/Zynq_B502_DDR/DDR_DQ13: U1.A2 U2.M1
/Zynq_B502_DDR/DDR_DQ14: U1.B8 U2.T1
/Zynq_B502_DDR/DDR_DQ15: U1.A3 U2.T3
/Zynq_B502_DDR/DDR_DQS0_N: U1.G3 U2.W2
/Zynq_B502_DDR/DDR_DQS0_P: U1.F3 U2.V2
/Zynq_B502_DDR/DDR_DQS1_N: U1.B7 U2.P2
/Zynq_B502_DDR/DDR_DQS1_P: U1.C7 U2.N2
/Zynq_B502_DDR/DDR_ODT: R72.1 U2.P5
/Zynq_B502_DDR/DDR_ODT_T: R72.2 U1.K1
/Zynq_B502_DDR/DDR_VRN: R46.1 U2.M7
/Zynq_B502_DDR/DDR_VRP: R47.2 U2.N7
/Zynq_B502_DDR/DDR_ZQ: R45.1 U1.L8
/Zynq_B502_DDR/DDR_~{CAS}: R49.1 U2.P3
/Zynq_B502_DDR/DDR_~{CAS}_T: R49.2 U1.K3
/Zynq_B502_DDR/DDR_~{CS}: R51.1 U2.P6
/Zynq_B502_DDR/DDR_~{CS}_T: R51.2 U1.L2
/Zynq_B502_DDR/DDR_~{RAS}: R52.1 U2.R5
/Zynq_B502_DDR/DDR_~{RAS}_T: R52.2 U1.J3
/Zynq_B502_DDR/DDR_~{RST}: R48.1 U1.T2 U2.F3
/Zynq_B502_DDR/DDR_~{WE}: R71.1 U2.R4
/Zynq_B502_DDR/DDR_~{WE}_T: R71.2 U1.L3
eMMC_CLK: U2.D11 U7.M6
eMMC_CMD: R39.2 U2.B10 U7.M5
eMMC_D0: R40.2 U2.D12 U7.A3
eMMC_D1: R41.2 U2.C14 U7.A4
eMMC_D2: R42.2 U2.D13 U7.A5
eMMC_D3: R43.2 U2.C10 U7.B2
eMMC_~{RST}: R97.2 U7.K5 U9.16
ETH_LED0: R18.2 U3.32
ETH_LED1: J1.98 R17.1 U3.33
ETH_LED2: J1.94 R19.2 U3.34
ETH_PHY_INT: R15.2 U2.B16 U3.31
ETH_PHY_MDC: U2.D10 U3.13
ETH_PHY_MDI0_N: J1.95 U3.2
ETH_PHY_MDI0_P: J1.97 U3.1
ETH_PHY_MDI1_N: J1.89 U3.5
ETH_PHY_MDI1_P: J1.91 U3.4
ETH_PHY_MDI2_N: J1.83 U3.7
ETH_PHY_MDI2_P: J1.85 U3.6
ETH_PHY_MDI3_N: J1.77 U3.10
ETH_PHY_MDI3_P: J1.79 U3.9
ETH_PHY_MDIO: R14.2 U2.C12 U3.14
ETH_PHY_RST: R90.2 U3.12 U9.32
ETH_PHY_RXC: R9.1 U2.A14 U3.27
ETH_PHY_RXCTL: R10.1 U2.D7 U3.26
ETH_PHY_RXD0: R12.2 U2.E11 U3.25
ETH_PHY_RXD1: R11.2 U2.B7 U3.24
ETH_PHY_RXD2: R8.1 U2.F12 U3.23
ETH_PHY_RXD3: R7.2 U2.A13 U3.22
ETH_PHY_TXC: U2.D6 U3.20
ETH_PHY_TXCTL: U2.F11 U3.19
ETH_PHY_TXD0: U2.E9 U3.18
ETH_PHY_TXD1: U2.A7 U3.17
ETH_PHY_TXD2: U2.E10 U3.16
ETH_PHY_TXD3: U2.A8 U3.15
IO_0_35: J1.86 U2.H17
IO_25_13: J2.23 U2.U7
IO_25_33: J2.79 U2.U14
IO_L1_N_13: J2.37 U2.V9
IO_L1_N_33: J3.89 U2.U21
IO_L1_N_35: J1.92 U2.E16
IO_L1_P_33: J3.86 U2.T21
IO_L1_P_35: J1.74 U2.F16
IO_L1P_13: J2.57 U2.V10
IO_L2_N_13: J2.14 U2.W8
IO_L2_N_33: J3.87 U2.U22
IO_L2_N_35: J1.100 U2.D17
IO_L2_P_13: J2.20 U2.V8
IO_L2_P_33: J3.85 U2.T22
IO_L3_DQS_N_33: J3.93 U2.W22
IO_L3_DQS_P_33: J3.91 U2.V22
IO_L3_N_13: J2.43 U2.W10
IO_L3_P_13: J2.18 U2.W11
IO_L3P_PUDC_34: J3.39 U2.K16
IO_L4_N_13: J2.63 U2.W12
IO_L4_N_33: J3.96 U2.W21
IO_L4_N_34: J3.41 U2.M17
IO_L4_N_35: J1.84 U2.G16
IO_L4_P_13: J2.61 U2.V12
IO_L4_P_33: J3.98 U2.W20
IO_L4_P_35: J1.80 U2.G15
IO_L5_N_13: J2.24 U2.U11
IO_L5_N_33: J3.94 U2.V20
IO_L5_N_34: J3.36 U2.N18
IO_L5_N_35: J1.88 U2.E18
IO_L5_P_33: J3.92 U2.U20
IO_L5_P_34: J3.60 U2.N17
IO_L5_P_35: J1.90 U2.F18
IO_L5P_13: J2.38 U2.U12
IO_L6_N_VREF_13: J2.17 U2.U9
IO_L6_P_13: J2.21 U2.U10
IO_L6_P_33: J2.89 U2.V18
IO_L6_P_35: J1.78 U2.G17
IO_L6_VREF_N_34: J3.78 U2.M16
IO_L6_VREF_N_35: J1.76 U2.F17
IO_L7_N_13: J2.64 U2.AB12
IO_L7_N_33: U2.AB22 U14.14
IO_L7_N_34: J3.40 U2.K18
IO_L7_P_13: J2.62 U2.AA12
IO_L7_P_33: U2.AA22 U14.13
IO_L7_P_34: J3.19 U2.J18
IO_L8_N_13: J2.60 U2.AB11
IO_L8_N_33: U2.AB21 U14.4
IO_L8_N_34: J3.57 U2.J22
IO_L8_N_35: U2.B17
IO_L8_P_13: J2.58 U2.AA11
IO_L8_P_33: U2.AA21 U14.1
IO_L8_P_34: J3.55 U2.J21
IO_L9_DQS_N_13: J2.48 U2.AB9
IO_L9_DQS_N_33: U2.Y21 U14.12
IO_L9_DQS_N_34: J3.61 U2.K21
IO_L9_DQS_P_13: J2.50 U2.AB10
IO_L9_DQS_P_33: U2.Y20 U14.9
IO_L9_DQS_P_34: J3.59 U2.J20
IO_L10_N_13: J2.51 U2.Y10
IO_L10_N_33: J2.94 U2.AB20
IO_L10_N_34: J3.65 U2.L22
IO_L10_N_35: J3.7 U2.A19
IO_L10_P_13: J2.53 U2.Y11
IO_L10_P_33: J2.92 U2.AB19
IO_L10_P_34: J3.67 U2.L21
IO_L10_P_35: J3.5 U2.A18
IO_L11_SRCC_N_13: J2.40 U2.AA8
IO_L11_SRCC_N_33: J2.91 U2.AA19
IO_L11_SRCC_N_34: J3.56 U2.K20
IO_L11_SRCC_N_35: J3.10 U2.C18
IO_L11_SRCC_P_13: J2.42 U2.AA9
IO_L11_SRCC_P_33: J2.93 U2.Y19
IO_L11_SRCC_P_34: J3.54 U2.K19
IO_L11_SRCC_P_35: J3.8 U2.C17
IO_L12_MRCC_N_13: J2.47 U2.Y8
IO_L12_MRCC_N_33: J2.88 U2.AA18
IO_L12_MRCC_N_34: J3.62 U2.L19
